# Altium PCB IoT_Greenhouse V1.0 A.PcbDoc (continued)
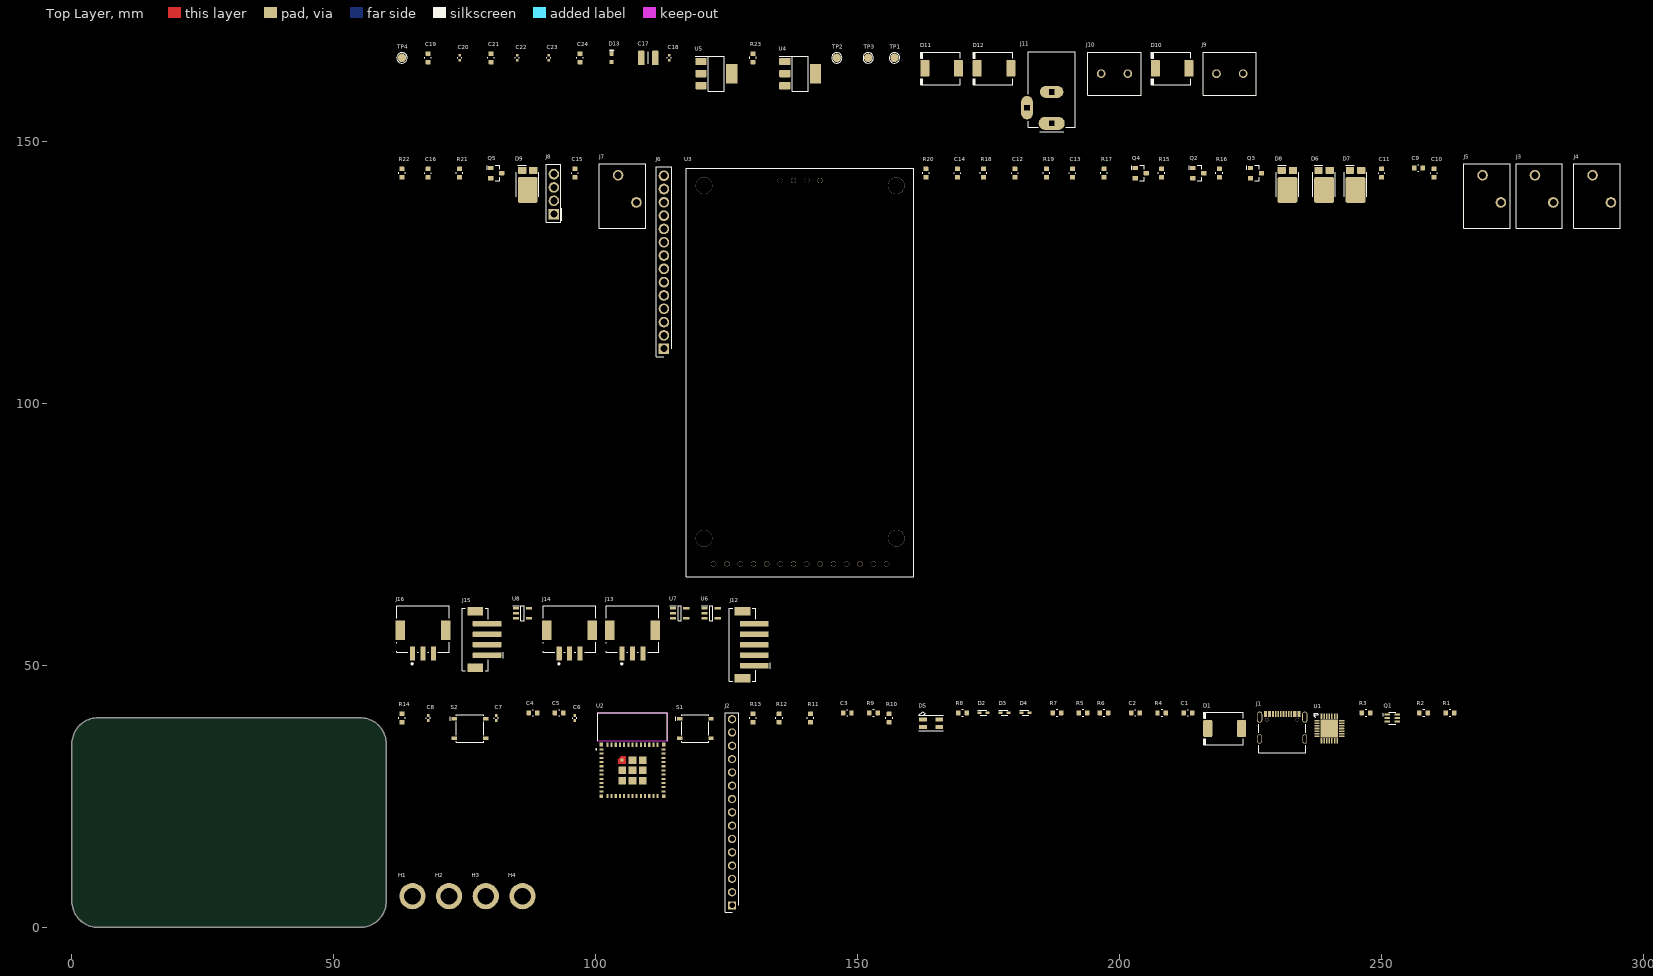
[diagram p0: Top Layer view]
## Part data (continued)
C6 C7 C8 C18 C20 C22 C23: library part CAP_100NF_50V_X7R_0402, "Multilayer Ceramic Capacitor, 0.1 uF, 16 V, ± 10%, X7R, 0402 [1005 Metric]", Capacitance=100nF, Case Code (Imperial)=0402, Case Code (Metric)=1005, Dielectric=X7R, Dielectric Material=Ceramic, Manufacturer=Murata, Max Operating Temperature=125°C, Min Operating Temperature=-55°C, Package Quantity=10000, Supplier Part Number 1=490-10700-6-ND, Temperature Coefficient=30ppm/°C, Tolerance=10%, Voltage=50V, Case/Package=0402, Category="Ceramic Capacitors", ComponentLink1Description=http://www.farnell.com/datasheets/2079156.pdf?src-supplier=Farnell, ComponentLink1URL=http://www.farnell.com/datasheets/2079156.pdf?src-supplier=Farnell, ComponentLink2Description=http://www.mouser.com/ds/2/281/c02e-2905.pdf?src-supplier=Mouser, ComponentLink2URL=http://www.mouser.com/ds/2/281/c02e-2905.pdf?src-supplier=Mouser, ComponentLink3Description=http://www.farnell.com/datasheets/2079156.pdf?src-supplier=Newark, ComponentLink3URL=http://www.farnell.com/datasheets/2079156.pdf?src-supplier=Newark, ComponentLink4Description=https://datasheet.octopart.com/GRM155R71H104KE14D-Murata-datasheet-22122223.pdf?src-supplier=Future+Electronics, ComponentLink4URL=https://datasheet.octopart.com/GRM155R71H104KE14D-Murata-datasheet-22122223.pdf?src-supplier=Future+Electronics, ComponentLink5Description=https://search.murata.co.jp/Ceramy/image/img/A01X/G101/ENG/GRM155R71H104KE14-01.pdf?src-supplier=Digi-Key, ComponentLink5URL=https://search.murata.co.jp/Ceramy/image/img/A01X/G101/ENG/GRM155R71H104KE14-01.pdf?src-supplier=Digi-Key, ComponentLink6Description=http://psearch.en.murata.com/capacitor/product/GRM155R71H104KE14%23.pdf?src-supplier=Avnet, ComponentLink6URL=http://psearch.en.murata.com/capacitor/product/GRM155R71H104KE14%23.pdf?src-supplier=Avnet, ComponentLink7Description=https://datasheet.octopart.com/GRM155R71H104KE14D-Murata-datasheet-66077078.pdf?src-supplier=Element14, ComponentLink7URL=https://datasheet.octopart.com/GRM155R71H104KE14D-Murata-datasheet-66077078.pdf?src-supplier=Element14, ComponentLink8Description=http://www.mouser.com/ds/2/447/UPY-GPHC_X5R_4V-to-50V_25-1131599.pdf?src-supplier=Mouser, ComponentLink8URL=http://www.mouser.com/ds/2/447/UPY-GPHC_X5R_4V-to-50V_25-1131599.pdf?src-supplier=Mouser, ComponentLink9Description=https://datasheet.octopart.com/CC0402KRX5R8BB104-Yageo-datasheet-137700082.pdf?src-supplier=Future+Electronics, ComponentLink9URL=https://datasheet.octopart.com/CC0402KRX5R8BB104-Yageo-datasheet-137700082.pdf?src-supplier=Future+Electronics, ComponentLink10Description=http://www.yageo.com/documents/recent/UPY-GPHC_X5R_4V-to-50V_25.pdf?src-supplier=Digikey, ComponentLink10URL=http://www.yageo.com/documents/recent/UPY-GPHC_X5R_4V-to-50V_25.pdf?src-supplier=Digikey, ComponentLink11Description=https://datasheet.octopart.com/CC0402KRX5R8BB104-Yageo-datasheet-140260304.pdf?src-supplier=Newark, ComponentLink11URL=https://datasheet.octopart.com/CC0402KRX5R8BB104-Yageo-datasheet-140260304.pdf?src-supplier=Newark, ComponentLink12Description=https://datasheet.octopart.com/CC0402KRX5R8BB104-Yageo-datasheet-170350636.pdf?src-supplier=Future+Electronics, ComponentLink12URL=https://datasheet.octopart.com/CC0402KRX5R8BB104-Yageo-datasheet-170350636.pdf?src-supplier=Future+Electronics, ComponentLink13Description=http://www.yageo.com/documents/recent/UPY-GPHC_X5R_4V-to-50V-16.pdf?src-supplier=Future+Electronics, ComponentLink13URL=http://www.yageo.com/documents/recent/UPY-GPHC_X5R_4V-to-50V-16.pdf?src-supplier=Future+Electronics, Construction=Flat, Depth=0.5mm, Dissipation Factor=0.025%, Halogen Free=5694HalogenFree, Height=0.5mm, Lead Free=5697LeadFree, Length=1mm, Manufacturer Part Number=GRM155R71H104KE14D, Material=Ceramic, Mount="Surface Mount", Number of Pins=2NUMBER, Packaging="Tape and Reel", Pricing 1="1=0.1, 10=0.023, 50=0.0132, 100=0.0102, 500=0.00768, 1000=0.00603, 2500=0.00548, 5000=0.00504 (USD)", Pricing 2="1=0.1, 10=0.037, 50=0.021, 100=0.0162, 500=0.01224, 1000=0.00961, 2500=0.00874, 5000=0.00804 (USD)", Reach SVHC Compliant=No, RoHS=Yes, RoHS Compliant=Yes, Series=GRM, Stock 1=13730790, Stock 2=3706055, Supplier 1=DigiKey, Supplier 2=Digikey, Supplier Part Number 2=311-1697-1-ND, Termination=SMD/SMT, Thickness=0.022inch, Voltage Rating=50V, Voltage Rating (DC)=50V, Weight=0.000212oz, Width=0.5mm
C9 C10 C11 C12 C13 C14 C15 C16: library part CAP_100NF_16V_X7R_0603, "Ceramic capacitor SMD-0603 100nF /16V X7R# K +-10%, Samsung, RoHS", Capacitance=100nF, Case Code (Imperial)=0603, Case Code (Metric)=1608, Dielectric=X7R, Manufacturer=Samsung, Max Operating Temperature=125°C, Min Operating Temperature=-55°C, Package Quantity=1, Supplier Part Number 1=1276-1005-1-ND, Tolerance=10%, Voltage=16V, Case/Package=0603, Category="Ceramic Capacitors", ComponentLink1Description=https://datasheet.ciiva.com/25805/cl10b104ko8nnnc-25805483.pdf?src-supplier=Digi-Key, ComponentLink1URL=https://datasheet.ciiva.com/25805/cl10b104ko8nnnc-25805483.pdf?src-supplier=Digi-Key, ComponentLink2Description=https://datasheet.ciiva.com/26838/getdatasheetpartid-357417-26838418.pdf?src-supplier=Verical, ComponentLink2URL=https://datasheet.ciiva.com/26838/getdatasheetpartid-357417-26838418.pdf?src-supplier=Verical, ComponentLink3Description=https://datasheet.ciiva.com/29198/456679-da-01-en-vs-kondensator-0603-29198846.pdf?src-supplier=Conrad, ComponentLink3URL=https://datasheet.ciiva.com/29198/456679-da-01-en-vs-kondensator-0603-29198846.pdf?src-supplier=Conrad, Contact Plating=Tin, Depth=0.8mm, Height=0.8mm, Lead Free="Lead Free", Length=1.6mm, Manufacturer Part Number=CL10B104KO8NNNC, Material=Ceramic, Mount="Surface Mount", Packaging="Tape and Reel", Pricing 1="1=0.10000, 10=0.02700, 50=0.01500, 100=0.01220, 500=0.00874, 1000=0.00686 (USD)", Radiation Hardening=No, RoHS=Yes, RoHS Compliant=Yes, Series=CL, Stock 1=9799745, Supplier 1=Digi-Key, Supplier 2=Newark, Supplier 3=Mouser, Supplier Part Number 2=82AC9325, Supplier Part Number 3=187-CL10B104KO8NNNC, Thickness=0.035inch, Voltage Rating=16V, Width=0.031inch
C17: library part CAP_22UF_25V_X7R_1210, "Multilayer Ceramic Capacitor, 22 uF, 25 V, ± 10%, X7R, 1210 [3225 Metric]", Capacitance=22uF, Case Code (Imperial)=1210, Case Code (Metric)=3225, Color=46Colour, Current Rating=3A, Dielectric=X7R, Manufacturer=Murata, Max Operating Temperature=125°C, Min Operating Temperature=-55°C, Package Quantity=1, Supplier Part Number 1=490-5313-1-ND, Tolerance=10%, Voltage=25V, Case/Package=1210, Category="Ceramic Capacitors", ComponentLink1Description=https://datasheet.ciiva.com/6072/1697714-6072768.pdf?src-supplier=Farnell, ComponentLink1URL=https://datasheet.ciiva.com/6072/1697714-6072768.pdf?src-supplier=Farnell, ComponentLink2Description=https://datasheet.ciiva.com/3776/2741grm32er71e226ke1523-3776996.pdf?src-supplier=Arrow+Electronics, ComponentLink2URL=https://datasheet.ciiva.com/3776/2741grm32er71e226ke1523-3776996.pdf?src-supplier=Arrow+Electronics, ComponentLink3Description=https://datasheet.ciiva.com/11789/0900766b80ef921d-11789129.pdf?src-supplier=Rs, ComponentLink3URL=https://datasheet.ciiva.com/11789/0900766b80ef921d-11789129.pdf?src-supplier=Rs, ComponentLink4Description=https://datasheet.ciiva.com/16497/product-16497009.pdf?src-supplier=Future+Electronics, ComponentLink4URL=https://datasheet.ciiva.com/16497/product-16497009.pdf?src-supplier=Future+Electronics, ComponentLink5Description=https://datasheet.ciiva.com/29201/451826-da-01-de-vs-kondens-grm32-er71e-226ke15l-29201795.pdf?src-supplier=Conrad, ComponentLink5URL=https://datasheet.ciiva.com/29201/451826-da-01-de-vs-kondens-grm32-er71e-226ke15l-29201795.pdf?src-supplier=Conrad, ComponentLink6Description=https://datasheet.ciiva.com/175/partnumbering-e-01-175746.pdf?src-supplier=Digikey, ComponentLink6URL=https://datasheet.ciiva.com/175/partnumbering-e-01-175746.pdf?src-supplier=Digikey, ComponentLink7Description=https://datasheet.ciiva.com/175/partnumbering-e-01-175747.pdf?src-supplier=Digikey, ComponentLink7URL=https://datasheet.ciiva.com/175/partnumbering-e-01-175747.pdf?src-supplier=Digikey, ComponentLink8Description=https://datasheet.ciiva.com/175/partnumbering-e-01-175748.pdf?src-supplier=Digikey, ComponentLink8URL=https://datasheet.ciiva.com/175/partnumbering-e-01-175748.pdf?src-supplier=Digikey, ComponentLink9Description=https://datasheet.ciiva.com/22703/1697714-22703397.pdf?src-supplier=Element14, ComponentLink9URL=https://datasheet.ciiva.com/22703/1697714-22703397.pdf?src-supplier=Element14, Construction=Flat, Contact Material=150ConductorMaterial, Contact Plating=157ConductorMaterial, Depth=2.5mm, Gender=29Gender, Height=2.5mm, Lead Free="Lead Free", Lead Pitch=2.54mm, Length=3.2mm, Manufacturer Part Number=GRM32ER71E226KE15L, Material=Ceramic, Mount="Surface Mount", Number of Pins=2, Packaging="Tape and Reel", Pricing 1="1=0.76, 10=0.535, 50=0.4502, 100=0.3666, 500=0.30548 (USD)", Radiation Hardening=No, Reach SVHC Compliant=No, RoHS=Yes, RoHS Compliant=Yes, Series=GRM, Stock 1=230605, Supplier 1=Digikey, Termination=SMD/SMT, Thickness=0.106inch, Voltage Rating=25V, Voltage Rating (DC)=25V, Width=0.098inch
D1 D10 D11 D12: library part DIO_SCTKY_40V_3A, "Rectifier Diode, schottky, 40V V(Rrm), do-214Ab / Smc", Average Rectified Current=3A, Case/Package=SMC, Forward Voltage=500mV, Manufacturer="Vishay Semiconductors", Max Operating Temperature=125°C, Max Repetitive Reverse Voltage (Vrrm)=40V, Max Reverse Current=500uA, Max Surge Current=100A, Min Operating Temperature=-55°C, Package Quantity=3500, Category="Rectifier Diodes", ComponentLink1Description=https://datasheet.ciiva.com/920/ss32-920172.pdf?src-supplier=Digi-Key, ComponentLink1URL=https://datasheet.ciiva.com/920/ss32-920172.pdf?src-supplier=Digi-Key, Element Configuration=Single, Forward Current=3A, Manufacturer Part Number=SS34-E3/9AT, Max Reverse Leakage Current=500uA, Max Reverse Voltage (DC)=40V, Mount="Surface Mount", Number of Pins=2, Packaging="Tape and Reel", Peak Non-Repetitive Surge Current=100A, Pricing 1="3500=0.18200 (USD)", Radiation Hardening=No, RoHS=Yes, RoHS Compliant=Yes, Series=-, Stock 1=7000, Supplier 1=TTI, Supplier Part Number 1=SS34-E3/9AT
D2 D3 D4: library part DIO_TVS_5V_ESD5Z5.0T1G, "ESD5Z Series 6.2 V 80 pF 5 Vrwm TVS and ESD Protection Diodes - SOD-523", Breakdown Voltage=6.2V, Capacitance=80pF, Case/Package=SOD-523-2, Clamping Voltage=18.6V, Clamping Voltage-Max=11.6V, Leakage Current=50nA, Manufacturer="ON Semiconductor", Max Operating Temperature=150°C, Max Power Dissipation=240W, Max Surge Current=9.4A, Min Operating Temperature=-55°C, Operating Supply Voltage=5V, Package Quantity=1, Peak Pulse Power=174W, Power Line Protection=No, Supplier Part Number 1=ESD5Z5.0T1GOSCT-ND, Test Current=1mA, Category="ESD and Circuit Protection ICs", ComponentLink1Description=https://datasheet.ciiva.com/15143/getdatasheetpartid-147990-15143766.pdf?src-supplier=Verical, ComponentLink1URL=https://datasheet.ciiva.com/15143/getdatasheetpartid-147990-15143766.pdf?src-supplier=Verical, ComponentLink2Description=https://datasheet.ciiva.com/30479/0900766b8125092b-30479039.pdf?src-supplier=Rs, ComponentLink2URL=https://datasheet.ciiva.com/30479/0900766b8125092b-30479039.pdf?src-supplier=Rs, ComponentLink3Description=https://datasheet.ciiva.com/22637/esd5z2-5t1-d-22637184.pdf?src-supplier=Element14, ComponentLink3URL=https://datasheet.ciiva.com/22637/esd5z2-5t1-d-22637184.pdf?src-supplier=Element14, ComponentLink4Description=https://datasheet.ciiva.com/27748/1311839-27748800.pdf?src-supplier=Jameco, ComponentLink4URL=https://datasheet.ciiva.com/27748/1311839-27748800.pdf?src-supplier=Jameco, ComponentLink5Description=https://datasheet.ciiva.com/339/esd5z2-5t1-d-339748.pdf?src-supplier=Digikey, ComponentLink5URL=https://datasheet.ciiva.com/339/esd5z2-5t1-d-339748.pdf?src-supplier=Digikey, ComponentLink6Description=https://datasheet.ciiva.com/339/esd5z2-5t1-d-339749.pdf?src-supplier=Digikey, ComponentLink6URL=https://datasheet.ciiva.com/339/esd5z2-5t1-d-339749.pdf?src-supplier=Digikey, ComponentLink7Description=https://datasheet.ciiva.com/339/esd5z2-5t1-d-339750.pdf?src-supplier=Digikey, ComponentLink7URL=https://datasheet.ciiva.com/339/esd5z2-5t1-d-339750.pdf?src-supplier=Digikey, ComponentLink8Description=https://datasheet.ciiva.com/16385/esd5z2-5t1-d-16385093.pdf?src-supplier=Future+Electronics, ComponentLink8URL=https://datasheet.ciiva.com/16385/esd5z2-5t1-d-16385093.pdf?src-supplier=Future+Electronics, ComponentLink9Description=https://datasheet.ciiva.com/8084/esd5z2-5t1-d-8084057.pdf?src-supplier=Avnet, ComponentLink9URL=https://datasheet.ciiva.com/8084/esd5z2-5t1-d-8084057.pdf?src-supplier=Avnet, ComponentLink10Description=https://datasheet.ciiva.com/22637/1878252-22637182.pdf?src-supplier=Element14, ComponentLink10URL=https://datasheet.ciiva.com/22637/1878252-22637182.pdf?src-supplier=Element14, Depth=0.8mm, Diode Type=ZENER, Direction=Unidirectional, ESD Protection=Yes, Halogen Free="Halogen Free", Height=0.7mm, Lead Free="Lead Free", Length=1.2mm, Manufacturer Part Number=ESD5Z5.0T1G, Max Breakdown Voltage=6.2V, Max Reverse Leakage Current=50nA, Min Breakdown Voltage=6.2V, Number of Channels=1, Number of Elements=1, Number of Lines=1, Number of Pins=2, Number of Unidirectional Channels=1, Packaging="Tape and Reel", Peak Pulse Current=9.4A, Polarity=Unidirectional, Pricing 1="1=0.24, 10=0.162, 100=0.0791, 500=0.06598, 1000=0.04584, 3000=0.03973, 6000=0.03686, 9000=0.03056, 30000=0.03002, 75000=0.02697, 150000=0.02337 (USD)", Radiation Hardening=No, Reach SVHC Compliant=No, Reverse Breakdown Voltage=6.2V, Reverse Standoff Voltage=5V, RoHS=Yes, RoHS Compliant=Yes, Series="Automotive, AEC-Q101", Stock 1=292695, Supplier 1=Digikey, Termination=SMD/SMT, Width=0.9mm, Working Voltage=5V
D5: library part LED_DIO_RGB_XL-3528RGBW-WS2812B, "-25℃~+80℃ Positive post RGB 120° SMD3528-4P Light Emitting Diodes (LED) ROHS", Color=Blue,Green,Red, Manufacturer=XINGLIGHT, Manufacturer Part Number=3528, Supplier Part Number 1=1528-1104-ND, Category=LEDs, ComponentLink1Description=https://www.lcsc.com/product-detail/Light-Emitting-Diodes-LED_XINGLIGHT-XL-3528RGBW-WS2812B_C2890364.html, ComponentLink1URL=https://www.lcsc.com/product-detail/Light-Emitting-Diodes-LED_XINGLIGHT-XL-3528RGBW-WS2812B_C2890364.html, Length=5mm, Mount="Surface Mount", Number of LEDs=10, Pricing 1=1=0.09(USD), RoHS=Yes, Stock 1=1874, Supplier 1=LCSC, Width=5mm
D6 D7 D8 D9: library part DIO_SCTKY_100V_6A_PMEG100V060ELPDZ, "DIODESCHOTTKY100V6ACFP15", Manufacturer=Nexperia, Category="Schottky Diodes", ComponentLink1Description=http://www.farnell.com/datasheets/2341403.pdf?src-supplier=Farnell, ComponentLink1URL=http://www.farnell.com/datasheets/2341403.pdf?src-supplier=Farnell, ComponentLink2Description=https://datasheet.octopart.com/PMEG100V060ELPDZ-Nexperia-datasheet-87796136.pdf?src-supplier=Future+Electronics, ComponentLink2URL=https://datasheet.octopart.com/PMEG100V060ELPDZ-Nexperia-datasheet-87796136.pdf?src-supplier=Future+Electronics, Manufacturer Part Number=PMEG100V060ELPDZ, Pricing 1="1=0.58, 10=0.504, 100=0.3491, 500=0.29166 (USD)", RoHS=Yes, RoHS Compliant=Yes, Stock 1=60422, Supplier 1=Digikey
D13: library part LED_DIO_RED_20mA_0603, "LED,  LTST-C190KRKT", Case Code (Imperial)=0603, Case Code (Metric)=1608, Color=Red, Forward Current=30mA, Forward Voltage=2.4V, Lens Color=Colorless, Manufacturer="Vishay Lite-On", Max Operating Temperature=85°C, Min Operating Temperature=-55°C, Package Quantity=1, Power Dissipation=75mW, Reverse Voltage=5V, Supplier Part Number 1=160-1436-6-ND, Test Current=20mA, Case/Package=0603, Category=LEDs, ComponentLink1Description=https://datasheet.ciiva.com/19482/1260381-19482354.pdf?src-supplier=Jameco, ComponentLink1URL=https://datasheet.ciiva.com/19482/1260381-19482354.pdf?src-supplier=Jameco, ComponentLink2Description=https://datasheet.ciiva.com/12403/100-ltst-c190krkt-59805-12403895.pdf?src-supplier=Mouser, ComponentLink2URL=https://datasheet.ciiva.com/12403/100-ltst-c190krkt-59805-12403895.pdf?src-supplier=Mouser, ComponentLink3Description=https://datasheet.ciiva.com/16427/ltst-c190krkt-16427674.pdf?src-supplier=Future+Electronics, ComponentLink3URL=https://datasheet.ciiva.com/16427/ltst-c190krkt-16427674.pdf?src-supplier=Future+Electronics, ComponentLink4Description=https://datasheet.ciiva.com/15117/getdatasheetpartid-57395-15117240.pdf?src-supplier=Verical, ComponentLink4URL=https://datasheet.ciiva.com/15117/getdatasheetpartid-57395-15117240.pdf?src-supplier=Verical, ComponentLink5Description=https://datasheet.ciiva.com/11774/0900766b80dc02a9-11774043.pdf?src-supplier=Rs, ComponentLink5URL=https://datasheet.ciiva.com/11774/0900766b80dc02a9-11774043.pdf?src-supplier=Rs, ComponentLink6Description=https://datasheet.ciiva.com/2109/s-110-ltst-c190krkt-2109992.pdf?src-supplier=Digi-Key, ComponentLink6URL=https://datasheet.ciiva.com/2109/s-110-ltst-c190krkt-2109992.pdf?src-supplier=Digi-Key, ComponentLink7Description=https://datasheet.ciiva.com/2109/s-110-ltst-c190krkt-2109991.pdf?src-supplier=Digi-Key, ComponentLink7URL=https://datasheet.ciiva.com/2109/s-110-ltst-c190krkt-2109991.pdf?src-supplier=Digi-Key, ComponentLink8Description=https://datasheet.ciiva.com/2109/s-110-ltst-c190krkt-2109993.pdf?src-supplier=Digi-Key, ComponentLink8URL=https://datasheet.ciiva.com/2109/s-110-ltst-c190krkt-2109993.pdf?src-supplier=Digi-Key, ComponentLink9Description=https://datasheet.ciiva.com/26937/getdatasheetpartid-631582-26937958.pdf?src-supplier=Verical, ComponentLink9URL=https://datasheet.ciiva.com/26937/getdatasheetpartid-631582-26937958.pdf?src-supplier=Verical, Depth=0.8mm, Dominant Wavelength=631nm, Height=0.8mm, Illumination Color=Red, Lead Free="Lead Free", Length=1.6mm, Lens Style=Diffused,Colorless,Clear,Rectangular, Lens Transparency=Clear, Luminous Intensity=54mcd, Manufacturer Part Number=LTST-C190KRKT, Mount="Surface Mount", Number of Elements=1, Number of LEDs=1, Number of Pins=2, Packaging="Tape and Reel", Power Rating=75mW, Pricing 1="1=0.24000, 10=0.13200, 100=0.06110, 500=0.05640, 1000=0.04418, 2000=0.04324 (USD)", Radiation Hardening=No, RoHS=Yes, RoHS Compliant=Yes, Stock 1=712361, Supplier 1=Digi-Key, Supplier 2=Mouser, Supplier 3="Arrow Electronics", Supplier Part Number 2=859-LTST-C190KRKT, Supplier Part Number 3=LTST-C190KRKT, Viewing Angle=130°, Wavelength=639nm, Width=0.8mm
H1 H2 H3 H4: library part MECHANICALS_MOUNT_PTH, "Mounting Hole, Plated"
J1: library part "CONN_USB_TYPEC_2.0_16P_TYPE-C 16PIN 2MD(073)", "5A 1 Surface Mount 16P Female -25℃~+85℃ Type-C SMD USB Connectors ROHS", Manufacturer="SHOU HAN", Supplier Part Number 1=664-12402012E212ACT-ND, Category=Connectors, Manufacturer Part Number="TYPE-C 16PIN 2MD(073)", Pricing 1="0.0523 (USD)", RoHS=No, Supplier 1=LCSC
J2: library part CONN_HEADER_FEMALE_15P_2.54mm, "CONN HEADER FEMALE 15POS.1 TIN", Flammability Rating="UL94 V-0", Insulation Color=Black, Manufacturer=Sullins, Max Operating Temperature=105°C, Min Operating Temperature=-40°C, Supplier Part Number 1=S7013-ND, Voltage Rating=250V, Category="Headers and Wire Housings", ComponentLink1Description=https://media.digikey.com/pdf/Data%20Sheets/Sullins%20PDFs/Female_Headers.100_DS.pdf?src-supplier=Digikey, ComponentLink1URL=https://media.digikey.com/pdf/Data%20Sheets/Sullins%20PDFs/Female_Headers.100_DS.pdf?src-supplier=Digikey, Connector Type=Header, Contact Finish - Mating=TIN, Contact Material=Bronze, Contact Shape=Square, Contact Type="Female Socket", Fastening Type=Pull, Height=8.5mm, Housing Material=Plastic, Insulation Material=Polyester, Lead Free="Lead Free", Length=38.6mm, Manufacturer Part Number=PPTC151LFBN-RC, Mount="Through Hole", Number of Positions=15, Number of Rows=1, Pricing 1="1=0.99, 10=0.836, 80=0.75075, 440=0.61425, 1000=0.546, 5000=0.4875 (USD)", RoHS=Yes, RoHS Compliant=Yes, Series=-, Stock 1=11141, Supplier 1=Digikey, Termination=Solder, Width=2.5mm
J3 J4 J5 J7: library part CONN_TBLOCK_2P_3.5mm_1-2834011-2, "2POS3.5MMTOPENTRYSCREWLESSC", Color=Green, Contact Current Rating=6A, Manufacturer="TE Connectivity", Max Operating Temperature=105°C, Min Operating Temperature=-40°C, Supplier Part Number 1=A123848-ND, Voltage=300V, Approvals=UL, Category="Terminal Blocks", ComponentLink1Description=http://www.te.com/commerce/DocumentDelivery/DDEController?Action=srchrtrv&DocNm=1-1773872-7_ModularScrewlessTerminalBloc&DocType=DS&DocLang=English&src-supplier=Digikey, ComponentLink1URL=http://www.te.com/commerce/DocumentDelivery/DDEController?Action=srchrtrv&DocNm=1-1773872-7_ModularScrewlessTerminalBloc&DocType=DS&DocLang=English&src-supplier=Digikey, ComponentLink2Description=https://datasheet.octopart.com/1-2834011-2-TE-Connectivity-datasheet-62069794.pdf?src-supplier=Farnell, ComponentLink2URL=https://datasheet.octopart.com/1-2834011-2-TE-Connectivity-datasheet-62069794.pdf?src-supplier=Farnell, ComponentLink3Description=http://www.farnell.com/datasheets/2296738.pdf?src-supplier=Newark, ComponentLink3URL=http://www.farnell.com/datasheets/2296738.pdf?src-supplier=Newark, ComponentLink4Description=https://datasheet.octopart.com/1-2834011-2-TE-Connectivity-datasheet-77874288.pdf?src-supplier=Element14, ComponentLink4URL=https://datasheet.octopart.com/1-2834011-2-TE-Connectivity-datasheet-77874288.pdf?src-supplier=Element14, Connector Type=Receptacle,Connector, Contact Plating=Tin,Lead, Current=6A, Current Rating=6A, Housing Material=Nylon, Lead Free="Lead Free", Manufacturer Part Number=1-2834011-2, Mount="Through Hole", Number of Levels=1, Number of Pins=2, Number of Positions=2, Number of Positions Per Level=2, Packaging=Box, Pricing 1="1=0.25, 10=0.209, 25=0.194, 50=0.1832, 100=0.1732, 250=0.16068, 500=0.15182, 1000=0.14552 (USD)", Reach SVHC Compliant=Unknown, RoHS=Yes, RoHS Compliant=Yes, Sealable="No (Without)", Series=-, Stock 1=110419, Supplier 1=Digikey, Termination="Through Hole", Voltage Rating=300V, Wire Gauge (Max)=20AWG, Wire Gauge (Min)=14AWG, Wire/Cable Gauge=14AWG
J6: library part CONN_HEADER_FEMALE_14P_2.54mm, "PPTC Series 14 Position 2.54 mm Single Row Through Hole Pin Header", Flammability Rating="UL94 V-0", Insulation Color=Black, Manufacturer=Sullins, Max Operating Temperature=105°C, Min Operating Temperature=-40°C, Supplier Part Number 1=S7012-ND, Voltage Rating=250V, Category=Connectors, ComponentLink1Description=https://media.digikey.com/pdf/Data%20Sheets/Sullins%20PDFs/Female_Headers.100_DS.pdf?src-supplier=Digikey, ComponentLink1URL=https://media.digikey.com/pdf/Data%20Sheets/Sullins%20PDFs/Female_Headers.100_DS.pdf?src-supplier=Digikey, Connector Type=Header, Contact Finish - Mating=TIN, Contact Material=Bronze, Contact Shape=Square, Contact Type="Female Socket", Fastening Type=Pull, Height=8.5mm, Housing Material=Plastic, Insulation Material=Polyester, Lead Free="Lead Free", Length=36.1mm, Manufacturer Part Number=PPTC141LFBN-RC, Mount="Through Hole", Number of Positions=14, Number of Rows=1, Packaging=Tray, Pricing 1="1=0.92, 10=0.78, 80=0.70075, 440=0.5733, 1000=0.5096, 5000=0.455 (USD)", RoHS=Yes, RoHS Compliant=Yes, Series=-, Stock 1=3902, Supplier 1=Digikey, Termination=Solder, Width=2.5mm
J8: library part CONN_HEADER_FEMALE_4P_2.54mm_JLCPCB, "2.54mm Plugin 4P Brass Straight 1x4P Plugin,P=2.54mm  Female Headers ROHS", Flammability Rating="UL94 V-0", Insulation Color=Black, JLCPCB Part Number=C541851, Manufacturer=XFCN, Max Operating Temperature=105°C, Min Operating Temperature=-40°C, Voltage Rating=250V, Category=Connectors, Connector Type=Header, Contact Finish - Mating=TIN, Contact Material=Bronze, Contact Shape=Square, Contact Type="Female Socket", Fastening Type=Pull, Height=8.5mm, Housing Material=Plastic, Insulation Material=Polyester, Lead Free="Lead Free", Length=10.7mm, Manufacturer Part Number=PM254V-11-04-H85, Mount="Through Hole", Number of Positions=4, Number of Rows=1, Packaging=Tray, Pitch=2.54mm, RoHS=Yes, RoHS Compliant=Yes, Series=-, Supplier=Jlcpcb, Termination=Solder, Width=2.5mm
J9 J10: library part CONN_TBLOCK_2P_5.08mm_282837-2, "Connector, Terminal Block; Wire Receptacle; 2 Pos.; 16-30 AWG; 0.2 in. CL; Side;", Color=Green, Current=13.5A, Flammability Rating="UL94 V-0", Manufacturer="TE Connectivity", Max Operating Temperature=110°C, Min Operating Temperature=-40°C, Operating Supply Voltage=300V, Package Quantity=300, Supplier Part Number 1=A113320-ND, Voltage Rating=250V, Category="Terminal Blocks", Closed End="No (Without)", ComponentLink1Description=https://datasheet.ciiva.com/819/eng-cs-1308389-eurostyle-terminal-blocks-0607-819104.pdf?src-supplier=Avnet, ComponentLink1URL=https://datasheet.ciiva.com/819/eng-cs-1308389-eurostyle-terminal-blocks-0607-819104.pdf?src-supplier=Avnet, ComponentLink2Description=https://datasheet.ciiva.com/11758/0900766b80e7dc97-11758677.pdf?src-supplier=Rs, ComponentLink2URL=https://datasheet.ciiva.com/11758/0900766b80e7dc97-11758677.pdf?src-supplier=Rs, ComponentLink3Description=https://datasheet.ciiva.com/16305/eng-cs-1308389-eurostyle-terminal-blocks-0607-16305248.pdf?src-supplier=Future+Electronics, ComponentLink3URL=https://datasheet.ciiva.com/16305/eng-cs-1308389-eurostyle-terminal-blocks-0607-16305248.pdf?src-supplier=Future+Electronics, ComponentLink4Description=https://datasheet.ciiva.com/19467/750688-19467564.pdf?src-supplier=Jameco, ComponentLink4URL=https://datasheet.ciiva.com/19467/750688-19467564.pdf?src-supplier=Jameco, ComponentLink5Description=https://datasheet.ciiva.com/18620/eng-cd-282837-g3-18620917.pdf?src-supplier=Digikey, ComponentLink5URL=https://datasheet.ciiva.com/18620/eng-cd-282837-g3-18620917.pdf?src-supplier=Digikey, ComponentLink6Description=https://datasheet.ciiva.com/823/eng-cd-282837-g3-823439.pdf?src-supplier=Digikey, ComponentLink6URL=https://datasheet.ciiva.com/823/eng-cd-282837-g3-823439.pdf?src-supplier=Digikey, ComponentLink7Description=https://datasheet.ciiva.com/7978/1650926-7978569.pdf?src-supplier=Element14, ComponentLink7URL=https://datasheet.ciiva.com/7978/1650926-7978569.pdf?src-supplier=Element14, ComponentLink8Description=https://datasheet.ciiva.com/14606/70086281-14606908.pdf?src-supplier=Allied+Electronics, ComponentLink8URL=https://datasheet.ciiva.com/14606/70086281-14606908.pdf?src-supplier=Allied+Electronics, ComponentLink9Description=https://datasheet.ciiva.com/30084/eng-cs-1308389-eurostyle-terminal-blocks-0607-30084269.pdf?src-supplier=Onlinecomponents.com, ComponentLink9URL=https://datasheet.ciiva.com/30084/eng-cs-1308389-eurostyle-terminal-blocks-0607-30084269.pdf?src-supplier=Onlinecomponents.com, Connector System=Wire-to-Board, Connector Type=Receptacle, Contact Material=Brass, Contact Plating=Tin, Current Rating=13.5A, ELV=Compliant, Housing Color=Green, Housing Material=Polyamide, Interlock="Yes (With)", Lead Free="Lead Free", Manufacturer Part Number=282837-2, Max Current Rating=13.5A, Mount="Through Hole", Number of Levels=1, Number of Positions=2, Number of Positions Per Level=2, Number of Rows=1, Packaging=Tray, Pitch=5.08mm, Plating=Brass, Pricing 1="1=0.7, 10=0.681, 25=0.678, 50=0.6552, 100=0.5494, 250=0.51504, 500=0.48644, 1000=0.42635, 5000=0.37199 (USD)", Reach SVHC Compliant=Unknown, RoHS=Yes, RoHS Compliant=Yes, Screw Flange="No (Without)", Screwless Terminal Block="No (Without)", Series=Buchanan, Side Stackable="Yes (With)", Stock 1=217371, Supplier 1=Digikey, Tail Length=3.5mm, Termination=Screw, Thread Size=M3, Voltage=300V, Voltage Rating (AC)=250V, Weight=0.059966oz, Wire Gauge (Max)=28AWG, Wire Gauge (Min)=30AWG
J11: library part CONN_DC_JACK_2X6.5mm_PJ-202AH, "2.0 x 6.5 mm, 5.0 A, Horizontal, Through Hole, Kinked Pins, Dc Power Jack Connector", Body Color=Black, Flammability Rating="UL94 V-0", Manufacturer="CUI Devices", Max Operating Temperature=85°C, Min Operating Temperature=-25°C, Supplier Part Number 1=CP-202AH-ND, Category="Power Connectors", ComponentLink1Description=https://datasheet.octopart.com/PJ-202AH-CUI-Devices-datasheet-137760703.pdf?src-supplier=Future+Electronics, ComponentLink1URL=https://datasheet.octopart.com/PJ-202AH-CUI-Devices-datasheet-137760703.pdf?src-supplier=Future+Electronics, ComponentLink2Description=https://datasheet.octopart.com/PJ-202AH-CUI-datasheet-54017.pdf?src-supplier=Digi-Key, ComponentLink2URL=https://datasheet.octopart.com/PJ-202AH-CUI-datasheet-54017.pdf?src-supplier=Digi-Key, ComponentLink3Description=https://datasheet.octopart.com/PJ-202AH-CUI-Devices-datasheet-141002001.pdf?src-supplier=Electro+Sonic, ComponentLink3URL=https://datasheet.octopart.com/PJ-202AH-CUI-Devices-datasheet-141002001.pdf?src-supplier=Electro+Sonic, Connector Type=Jack, Contact Material=Brass, Contact Plating=Silver, Gender=Male, Housing Material=PBT, Manufacturer Part Number=PJ-202AH, Mount="Through Hole", Pricing 1="1=0.78, 25=0.6528, 100=0.5988, 500=0.48902, 2500=0.40274, 10000=0.36162 (USD)", RoHS=Yes, Series=-, Shielding=Unshielded, Stock 1=143167, Supplier 1=Digi-Key, Termination="Kinked Pin"
J12: library part CONN_JST_PH_5P_2mm, "Conn Shrouded Header HDR 5 POS 2mm Solder ST Top Entry SMD T/R", Manufacturer=JST, Supplier Part Number 1=455-3362-1-ND, Category="Headers and Wire Housings", ComponentLink1Description=https://datasheet.ciiva.com/16417/eph-16417918.pdf?src-supplier=Future+Electronics, ComponentLink1URL=https://datasheet.ciiva.com/16417/eph-16417918.pdf?src-supplier=Future+Electronics, Lead Free="Lead Free", Manufacturer Part Number=B5B-PH-SM4-TBT(LF)(SN), Mount="Surface Mount", Number of Positions=5, Pitch=2mm, Pricing 1="1=0.97000, 10=0.81500, 100=0.73220, 500=0.59904 (USD)", RoHS=Yes, Stock 1=18001, Supplier 1=Digi-Key, Termination=Solder
J13 J14 J16: library part CONN_JST_PH_3P_2MM_SM03B-PASS-TBT, "Conn Header SMD R/a 3POS 2MM", Manufacturer=JST, Supplier Part Number 1=455-SM03B-PASS-TBTCT-ND, Manufacturer Part Number=SM03B-PASS-TBT, Pricing 1="1=0.78, 10=0.657, 100=0.5904, 500=0.48304, 1000=0.42938, 2000=0.40254, 3000=0.38912, 5000=0.3757, 10000=0.35692, 25000=0.34887 (USD)", RoHS=No, Stock 1=258662, Supplier 1=Digikey
J15: library part CONN_JST_PH_4P_2mm_JLCPCB, "1x4P PH 1 Tin 2mm 4 -25℃~+85℃ 2A Copper Alloy Brick nogging SMD,P=2mm  Wire To Board / Wire To Wire Connector ROHS", Color=Natural, Contact Resistance=20mR, Housing Color=Beige, JLCPCB Part Number=C265116, Manufacturer=JST, Max Current Rating=2A, Max Operating Temperature=85°C, Max Voltage Rating (AC)=100V, Min Operating Temperature=-25°C, Package Quantity=1, Category="Headers and Wire Housings", ComponentLink1Description=https://datasheet.ciiva.com/16291/b4b-ph-sm4-tbtlfsn-16291402.pdf?src-supplier=Future+Electronics, ComponentLink1URL=https://datasheet.ciiva.com/16291/b4b-ph-sm4-tbtlfsn-16291402.pdf?src-supplier=Future+Electronics, ComponentLink2Description=https://datasheet.ciiva.com/6840/eph-6840791.pdf?src-supplier=Digi-Key, ComponentLink2URL=https://datasheet.ciiva.com/6840/eph-6840791.pdf?src-supplier=Digi-Key, Connector Type="Male Pin", Contact Material="Copper Alloy", Contact Mating Length=0.13inch, Contact Plating=Tin,Copper, Contact Type="Male Pin", Depth=5mm, Fastening Type=Detent, Housing Material=Polyamide, Lead Free="Lead Free", Length=11.95mm, Manufacturer Part Number=B4B-PH-SM4-TBT(LF)(SN), Mount="Surface Mount", Number of Positions=4, Number of Rows=1, Orientation=Straight, Packaging="Tape and Reel", Pitch=0.079inch, RoHS=Yes, Series=PH, Supplier=Jlcpcb, Termination=Solder